# Altium PCB OECU_BASE.PcbDoc (part 1 of 6) (continued)
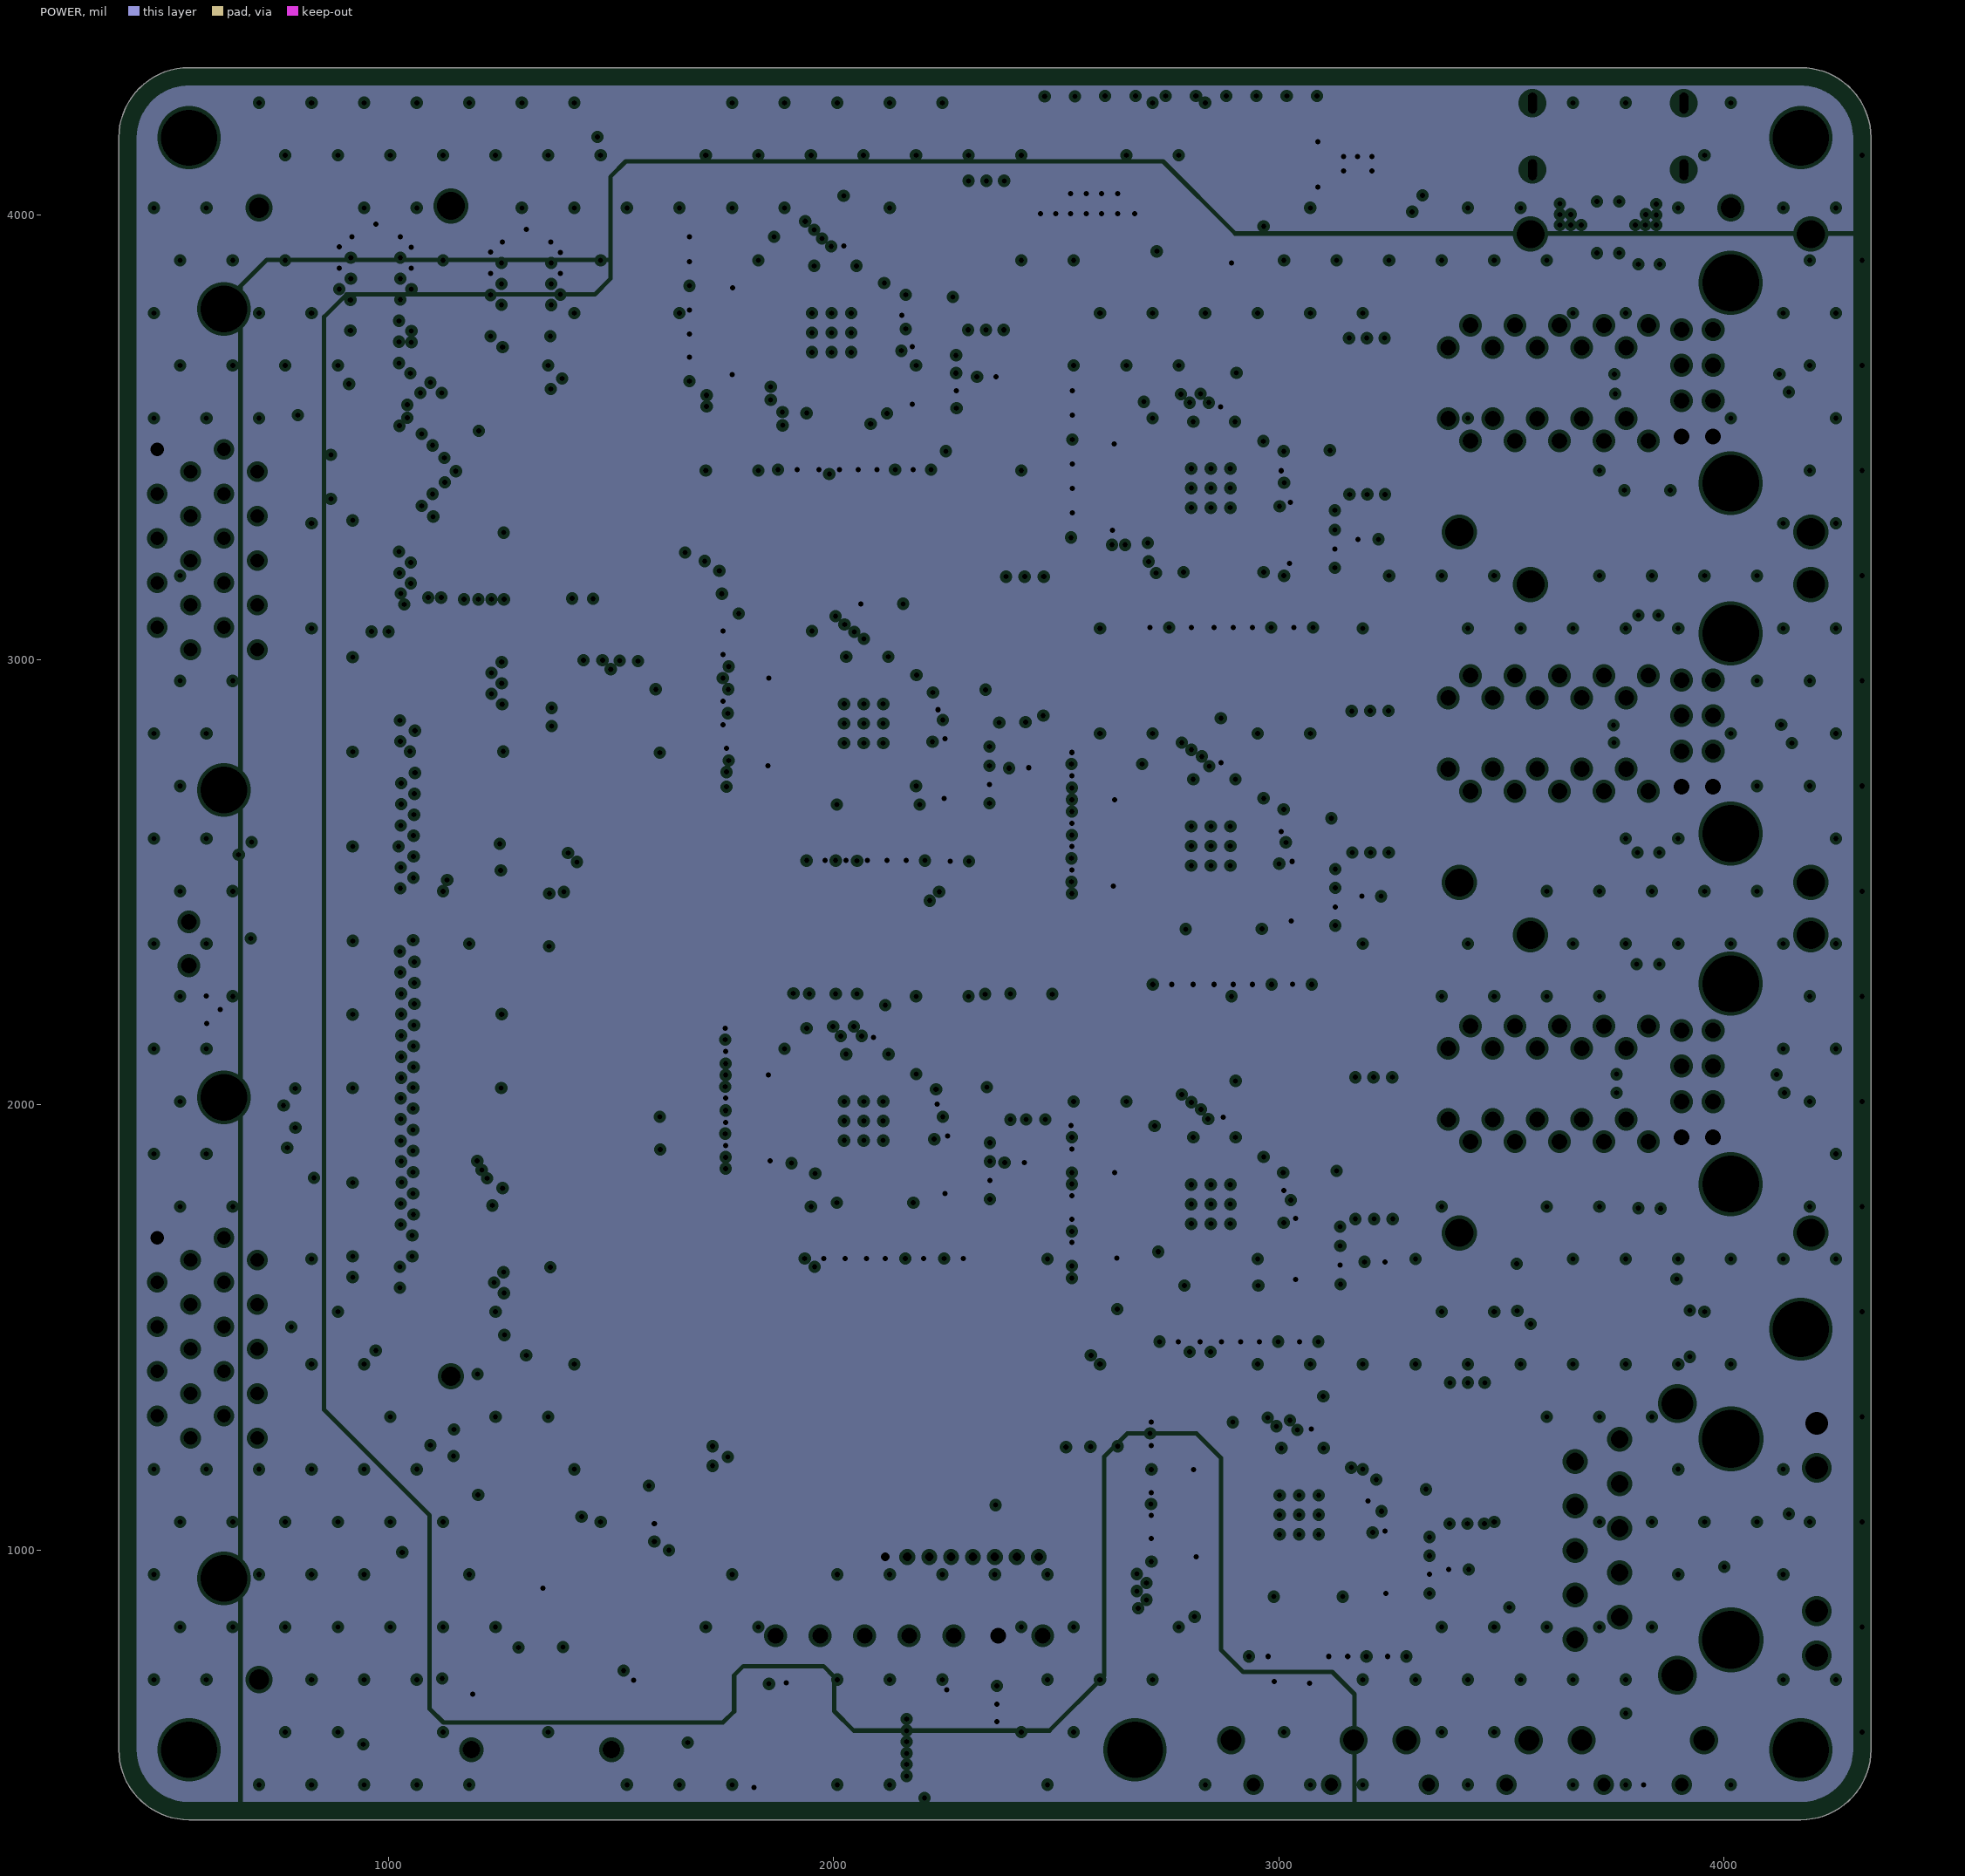
[diagram p4: POWER, clearances drawn from the general rule]
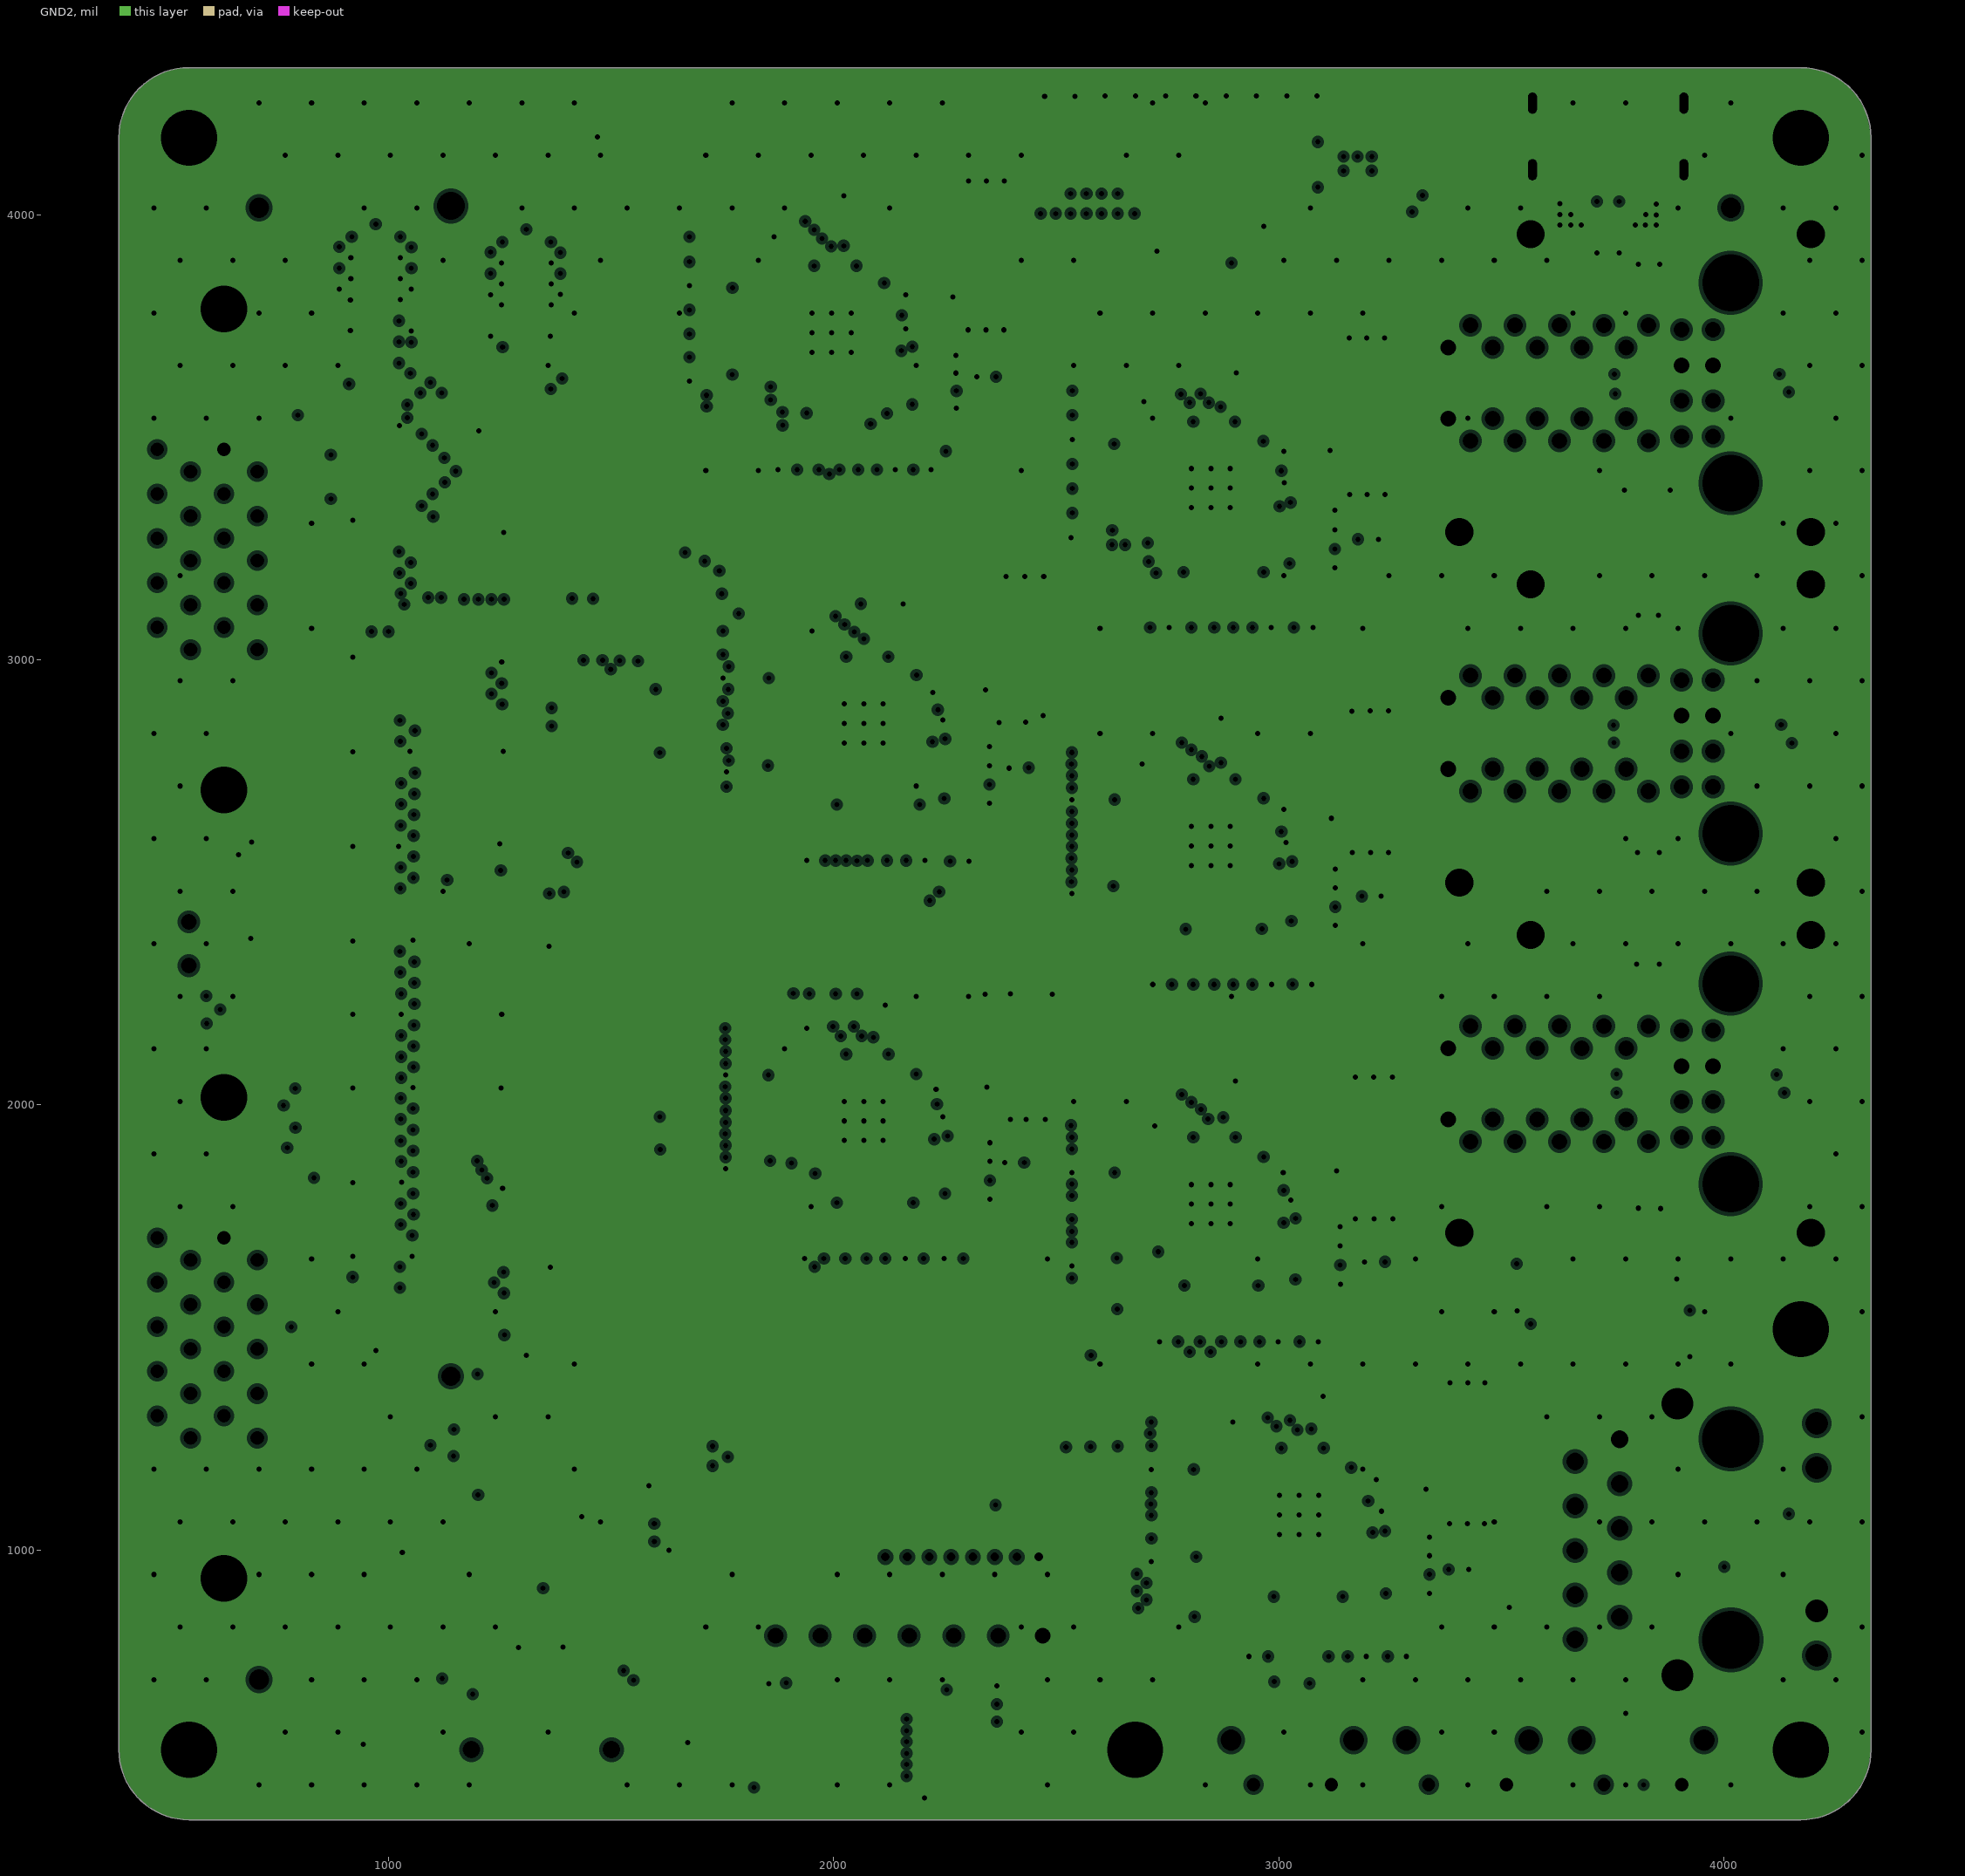
[diagram p5: GND2, clearances drawn from the general rule]
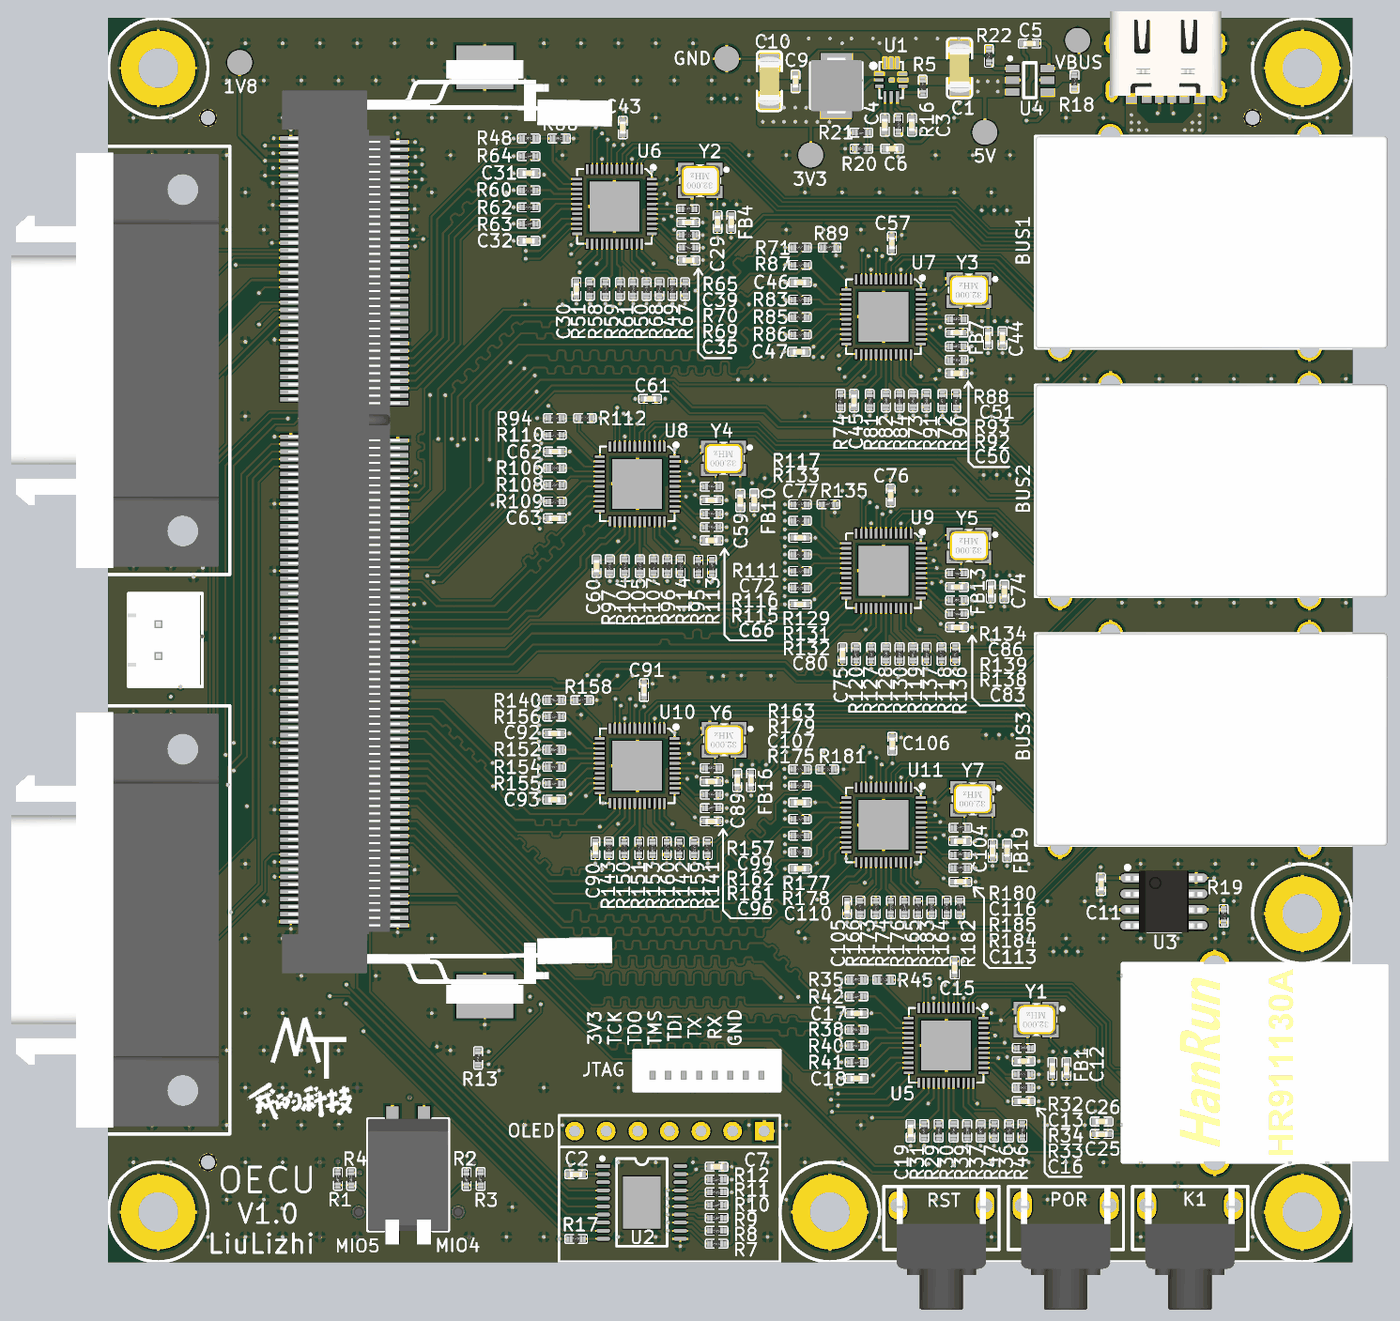
[diagram p11: 3D render of the assembled board from above, using the file's embedded part models]
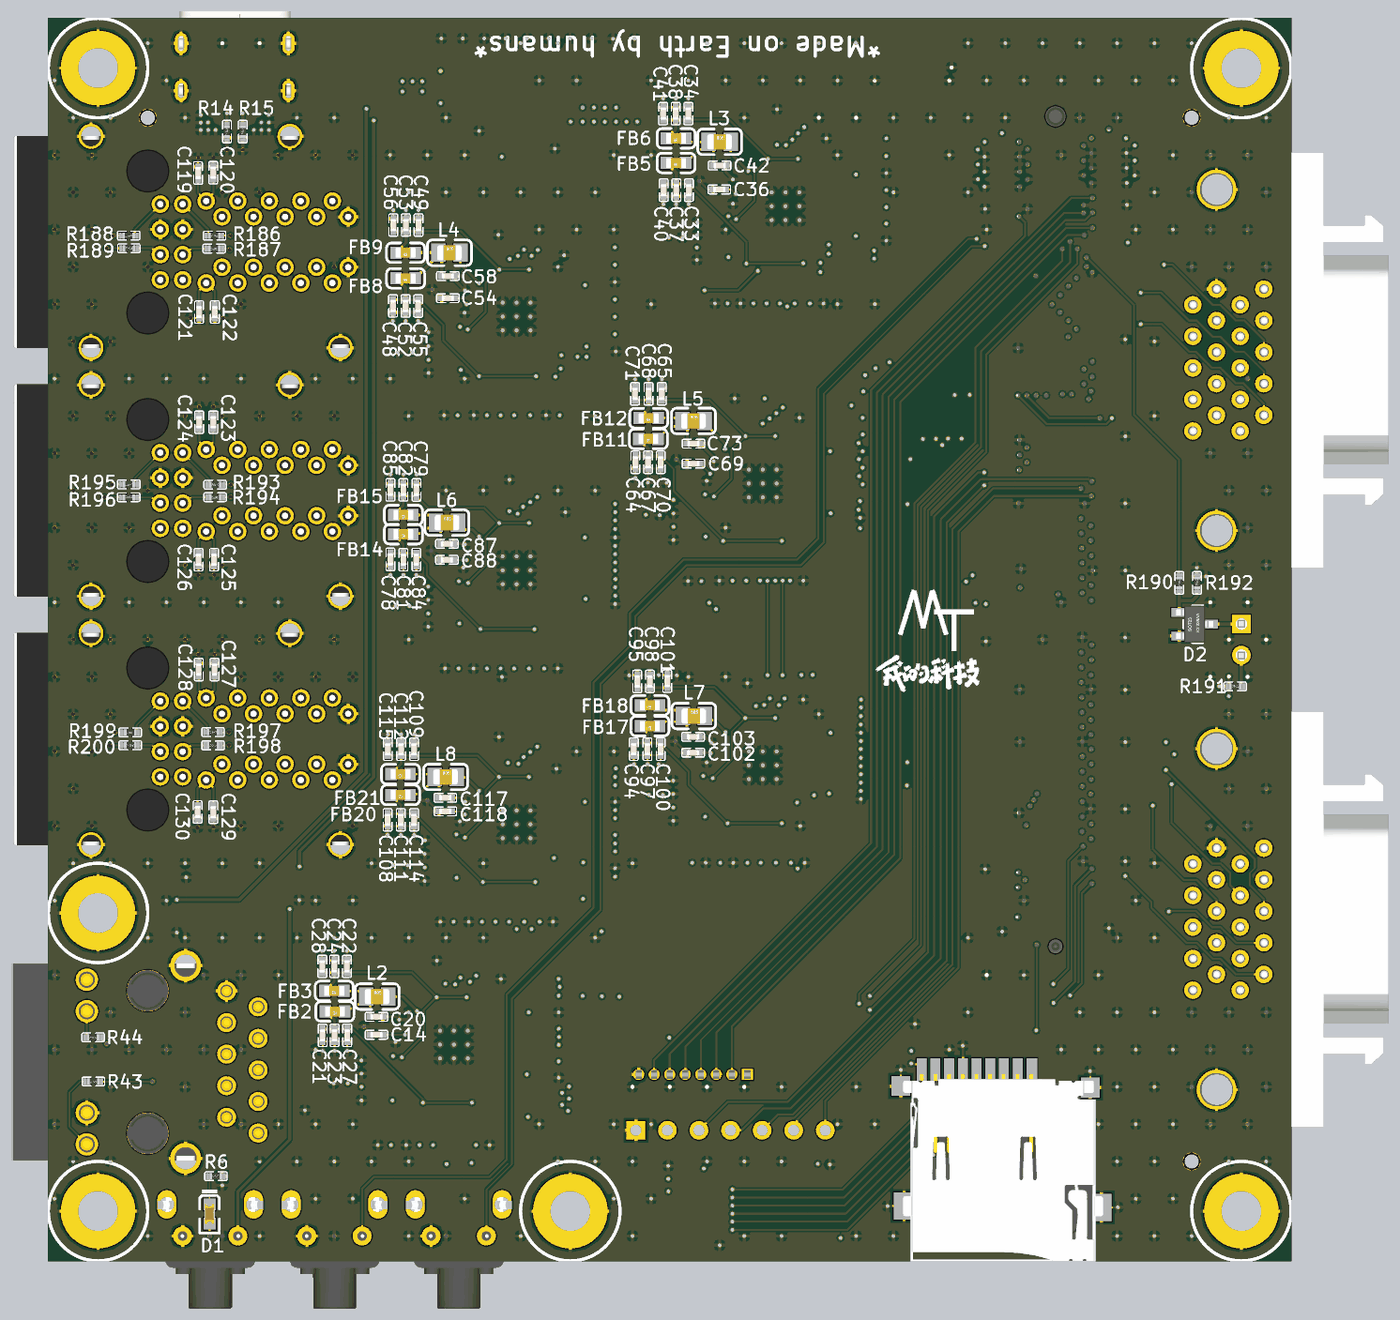
[diagram p12: 3D render of the assembled board from below, using the file's embedded part models]

## Layer stack, top to bottom
Top Solder: solder mask 1, SM-001, Dk 4
SIG1: signal copper 1.378
Dielectric 4: prepreg 3.913, PP-006, Dk 4.1
GND1: plane copper 0.598, net GND
Dielectric 5: prepreg 21.654, PP-006, Dk 4.1
SIG2: signal copper 0.598
Dielectric 1: prepreg 4.284, PP-006, Dk 4.1
POWER: plane copper 0.598, net (Multiple Nets)
Dielectric 2: prepreg 21.654, PP-006, Dk 4.8
GND2: plane copper 0.598, net GND
Dielectric 3: prepreg 3.913, PP-006, Dk 4.1
SIG3: signal copper 1.378
Bottom Solder: solder mask 1, SM-001, Dk 4

## Board outline
551.18,393.7 cw(c551.18,551.18) 393.7,551.18 393.7,4173.23 cw(c551.18,4173.23) 551.18,4330.71 4173.23,4330.71 cw(c4173.23,4173.23) 4330.71,4173.23 4330.71,551.18 cw(c4173.23,551.18) 4173.23,393.7

## Design rules (kind name [scope] priority, off if disabled: settings)
Clearance [All] p1: gap=4 ignorepadtopadclearanceinfootprint=TRUE
Clearance Clearance_MDI [InNetClass('MDI') vs InNetClass('MDI')] p2: gap=4 ignorepadtopadclearanceinfootprint=TRUE except(8: Arc-Arc Arc-Track Track-Track)
Clearance ClearanceSIG [All vs (InNetClass('JTAG') OR InNetClass('OLED') OR InNetClass('OUT1') OR InNetClass('OUT2') OR InNetClass('SDIO'))] p3: gap=4 ignorepadtopadclearanceinfootprint=TRUE except(12.32: Arc-Arc Arc-Track Track-Track)
Clearance ClearanceRGMII [All vs (InNetClass('RGMII0') OR InNetClass('RGMII1') OR InNetClass('RGMII2') OR InNetClass('RGMII3') OR InNetClass('RGMII4') OR InNetClass('RGMII5') OR InNetClass('RGMII6'))] p4: gap=4 ignorepadtopadclearanceinfootprint=TRUE except(12.32: Arc-Arc Arc-Track Track-Track)
DiffPairsRouting DiffPairsRouting_MDI [InNetClass('MDI')] p1: maxlimit=39.37 minlimit=6 mostfreqgap=8 toplayer_minwidth=4.88 toplayer_maxwidth=4.88 toplayer_prefwidth=4.88 midlayer1_minwidth=4.44 midlayer1_maxwidth=4.44 midlayer1_prefwidth=4.44 bottomlayer_minwidth=4.88 bottomlayer_maxwidth=4.88 bottomlayer_prefwidth=4.88 maxuncoupledlength=500
DiffPairsRouting [All] p2: maxlimit=12 minlimit=8 mostfreqgap=12 toplayer_minwidth=6 toplayer_maxwidth=10 toplayer_prefwidth=6 midlayer1_minwidth=6 midlayer1_maxwidth=10 midlayer1_prefwidth=6 bottomlayer_minwidth=6 bottomlayer_maxwidth=10 bottomlayer_prefwidth=6 maxuncoupledlength=500
FanoutControl [All] p1: bgadir=Out bgaviamode=Centered fanoutstyle=Auto fanoutdirection=Alternating viagrid=1
FanoutControl Fanout_BGA [IsBGA] p2: bgadir=Out bgaviamode=Centered fanoutstyle=Auto fanoutdirection=Alternating viagrid=1 // Fanout_BGA (Default Rule)
FanoutControl Fanout_LCC [IsLCC] p3: bgadir=Out bgaviamode=Centered fanoutstyle=Auto fanoutdirection=Alternating viagrid=1 // Fanout_LCC (Default Rule)
FanoutControl Fanout_SOIC [IsSOIC] p4: bgadir=Out bgaviamode=Centered fanoutstyle=Auto fanoutdirection=Alternating viagrid=1 // Fanout_SOIC (Default Rule)
FanoutControl Fanout_Small [(CompPinCount < 5)] p5: bgadir=Out bgaviamode=Centered fanoutstyle=Auto fanoutdirection=OutThenIn viagrid=1 // Fanout_Small (Default Rule)
FanoutControl Fanout_Default [All] p6: bgadir=Out bgaviamode=Centered fanoutstyle=Auto fanoutdirection=Alternating viagrid=1 // Fanout_Default (Default Rule)
HoleSize [All] p1: absolutevalues=TRUE maxlimit=200 minlimit=1 maxpercent=80.000 minpercent=20.000
PlaneClearance [All] p1: clearance=8
PlaneConnect [All] p1: planeconnectstyle=Direct reliefexpansion=20 reliefentries=4 reliefconductorwidth=10 reliefairgap=10
PolygonConnect [All] p1: connectstyle=Relief reliefconductorwidth=10 reliefentries=4 polygonreliefangle="90 Angle" airgapwidth=10
RoutingVias RoutingViasSIG [(InNetClass('JTAG') OR InNetClass('OLED') OR InNetClass('OUT1') OR InNetClass('OUT2') OR InNetClass('SDIO'))] p1: holewidth=11.81 width=17.72 viastyle="Through Hole" minholewidth=11.81 minwidth=17.72 maxholewidth=11.81 maxwidth=17.72
RoutingVias RoutingViasRGMII [(InNetClass('RGMII0') OR InNetClass('RGMII1') OR InNetClass('RGMII2') OR InNetClass('RGMII3') OR InNetClass('RGMII4') OR InNetClass('RGMII5') OR InNetClass('RGMII6'))] p2: holewidth=11.81 width=17.72 viastyle="Through Hole" minholewidth=11.81 minwidth=17.72 maxholewidth=11.81 maxwidth=17.72
RoutingVias [All] p3: holewidth=11.81 width=17.72 viastyle="Through Hole" minholewidth=11.81 minwidth=17.72 maxholewidth=137.8 maxwidth=236.22
SolderMaskExpansion [All] p1: expansion=4 istentingtop=FALSE useseparateexpansions=TRUE expansionbottom=4 istentingbottom=FALSE
UnRoutedNet [All] p1: checkbadconnections=TRUE
Width WidthSIG [(InNetClass('JTAG') OR InNetClass('OLED') OR InNetClass('OUT1') OR InNetClass('OUT2') OR InNetClass('SDIO'))] p1: maxlimit=6.16 minlimit=5.61 preferedwidth=6.16 toplayer_minwidth=6.16 midlayer1_maxwidth=5.61 midlayer1_prefwidth=5.61 bottomlayer_minwidth=6.16 minimp=50.000000 maximp=50.000000 favimp=50.000000
Width WidthRGMII [(InNetClass('RGMII0') OR InNetClass('RGMII1') OR InNetClass('RGMII2') OR InNetClass('RGMII3') OR InNetClass('RGMII4') OR InNetClass('RGMII5') OR InNetClass('RGMII6'))] p2: maxlimit=6.16 minlimit=5.61 preferedwidth=6.16 toplayer_minwidth=6.16 midlayer1_maxwidth=5.61 midlayer1_prefwidth=5.61 bottomlayer_minwidth=6.16 minimp=50.000000 maximp=50.000000 favimp=50.000000
Width [All] p3: maxlimit=20 minlimit=5 preferedwidth=5
20 further rules are at their usual default settings.

## Classes and differential pairs
net class MDI: MDI0_0_N MDI0_0_P MDI0_1_N MDI0_1_P MDI0_2_N MDI0_2_P MDI0_3_N MDI0_3_P MDI1_0_N MDI1_0_P MDI1_1_N MDI1_1_P MDI1_2_N MDI1_2_P MDI1_3_N MDI1_3_P MDI2_0_N MDI2_0_P MDI2_1_N MDI2_1_P MDI2_2_N MDI2_2_P MDI2_3_N MDI2_3_P MDI3_0_N MDI3_0_P MDI3_1_N MDI3_1_P MDI3_2_N MDI3_2_P MDI3_3_N MDI3_3_P MDI4_0_N MDI4_0_P MDI4_1_N MDI4_1_P MDI4_2_N MDI4_2_P MDI4_3_N MDI4_3_P MDI5_0_N MDI5_0_P MDI5_1_N MDI5_1_P MDI5_2_N MDI5_2_P MDI5_3_N MDI5_3_P MDI6_0_N MDI6_0_P MDI6_1_N MDI6_1_P MDI6_2_N MDI6_2_P MDI6_3_N MDI6_3_P
net class SDIO: MIO0 MIO40 MIO41 MIO42 MIO43 MIO44 MIO45
net class OUT2: IO13_11N IO13_11P IO13_12N IO13_12P IO13_13N IO13_13P IO13_14N IO13_14P IO13_15N IO13_15P IO13_17N IO13_17P IO13_19N IO13_19P IO13_21N IO13_21P IO13_22N IO13_22P
net class OUT1: MIO28 MIO29 MIO30 MIO31 MIO32 MIO33 MIO34 MIO35 MIO36 MIO37 MIO38 MIO39 MIO46 MIO47 MIO48 MIO49 MIO50 MIO51
net class OLED: IO13_16N IO13_16P IO13_18P IO13_20N IO13_20P
net class JTAG: J_TCK J_TDI J_TDO J_TMS MIO8 MIO9
net class RGMII6: IO35_3N IO35_3P IO35_5N IO35_5P IO35_6N IO35_6P IO35_15N IO35_15P IO35_17N IO35_18N IO35_18P IO35_19N IO35_19P IO35_20P
net class RGMII5: IO34_14N IO34_14P IO35_7N IO35_7P IO35_9N IO35_9P IO35_14N IO35_14P IO35_17P IO35_20N IO35_22N IO35_22P IO35_23N IO35_23P
net class RGMII4: IO34_10N IO34_10P IO34_15N IO34_15P IO34_16N IO34_16P IO34_17N IO34_17P IO34_18N IO34_18P IO34_21N IO34_21P IO34_22N IO34_22P
net class RGMII3: IO35_8N IO35_8P IO35_10N IO35_10P IO35_11N IO35_11P IO35_12N IO35_12P IO35_13N IO35_13P IO35_21N IO35_21P IO35_24N IO35_24P
net class RGMII2: IO34_4N IO34_7N IO34_7P IO34_8P IO34_9N IO34_9P IO34_11N IO34_11P IO34_13N IO34_13P IO34_19N IO34_19P IO34_23N IO34_23P
net class RGMII1: IO34_1N IO34_1P IO34_2N IO34_2P IO34_4P IO34_5N IO34_5P IO34_6N IO34_6P IO34_8N IO34_20N IO34_20P IO34_24N IO34_24P
net class RGMII0: MIO16 MIO17 MIO18 MIO19 MIO20 MIO21 MIO22 MIO23 MIO24 MIO25 MIO26 MIO27 MIO52 MIO53
component class OECU_BASE6: BUS1 BUS2 BUS3 C119 C120 C121 C122 C123 C124 C125 C126 C127 C128 C129 C130 D2 FAN OLED R186 R187 R188 R189 R190 R191 R192 R193 R194 R195 R196 R197 R198 R199 R200
component class OECU_BASE5: C89 C90 C91 C92 C93 C94 C95 C96 C97 C98 C99 C100 C101 C102 C103 C104 C105 C106 C107 C108 C109 C110 C111 C112 C113 C114 C115 C116 C117 C118 FB16 FB17 FB18 FB19 FB20 FB21 L7 L8 R140 R141 R142 R143 R150 R151 R152 R153 R154 R155 R156 R157 R158 R159 R160 R161 R162 R163 R164 R165 R166 R173 R174 R175 R176 R177 R178 R179 R180 R181 R182 R183 R184 R185 U10 U11 Y6 Y7
component class OECU_BASE4: C59 C60 C61 C62 C63 C64 C65 C66 C67 C68 C69 C70 C71 C72 C73 C74 C75 C76 C77 C78 C79 C80 C81 C82 C83 C84 C85 C86 C87 C88 FB10 FB11 FB12 FB13 FB14 FB15 L5 L6 R94 R95 R96 R97 R104 R105 R106 R107 R108 R109 R110 R111 R112 R113 R114 R115 R116 R117 R118 R119 R120 R127 R128 R129 R130 R131 R132 R133 R134 R135 R136 R137 R138 R139 U8 U9 Y4 Y5
component class OECU_BASE3: C29 C30 C31 C32 C33 C34 C35 C36 C37 C38 C39 C40 C41 C42 C43 C44 C45 C46 C47 C48 C49 C50 C51 C52 C53 C54 C55 C56 C57 C58 FB4 FB5 FB6 FB7 FB8 FB9 L3 L4 R48 R49 R50 R51 R58 R59 R60 R61 R62 R63 R64 R65 R66 R67 R68 R69 R70 R71 R72 R73 R74 R81 R82 R83 R84 R85 R86 R87 R88 R89 R90 R91 R92 R93 U6 U7 Y2 Y3